# Altium PCB robot.PcbDoc (part 5 of 13)
Units mm, origin at the board's own origin, x right, y up, seen from the top; angles counter-clockwise.
Board outline 97 x 68 mm, 2 copper layers (Top Layer, Bottom Layer); 163 components, 156 nets, 23258 pads, 60 vias.
Unrouted connection lines stored in the file: 298.
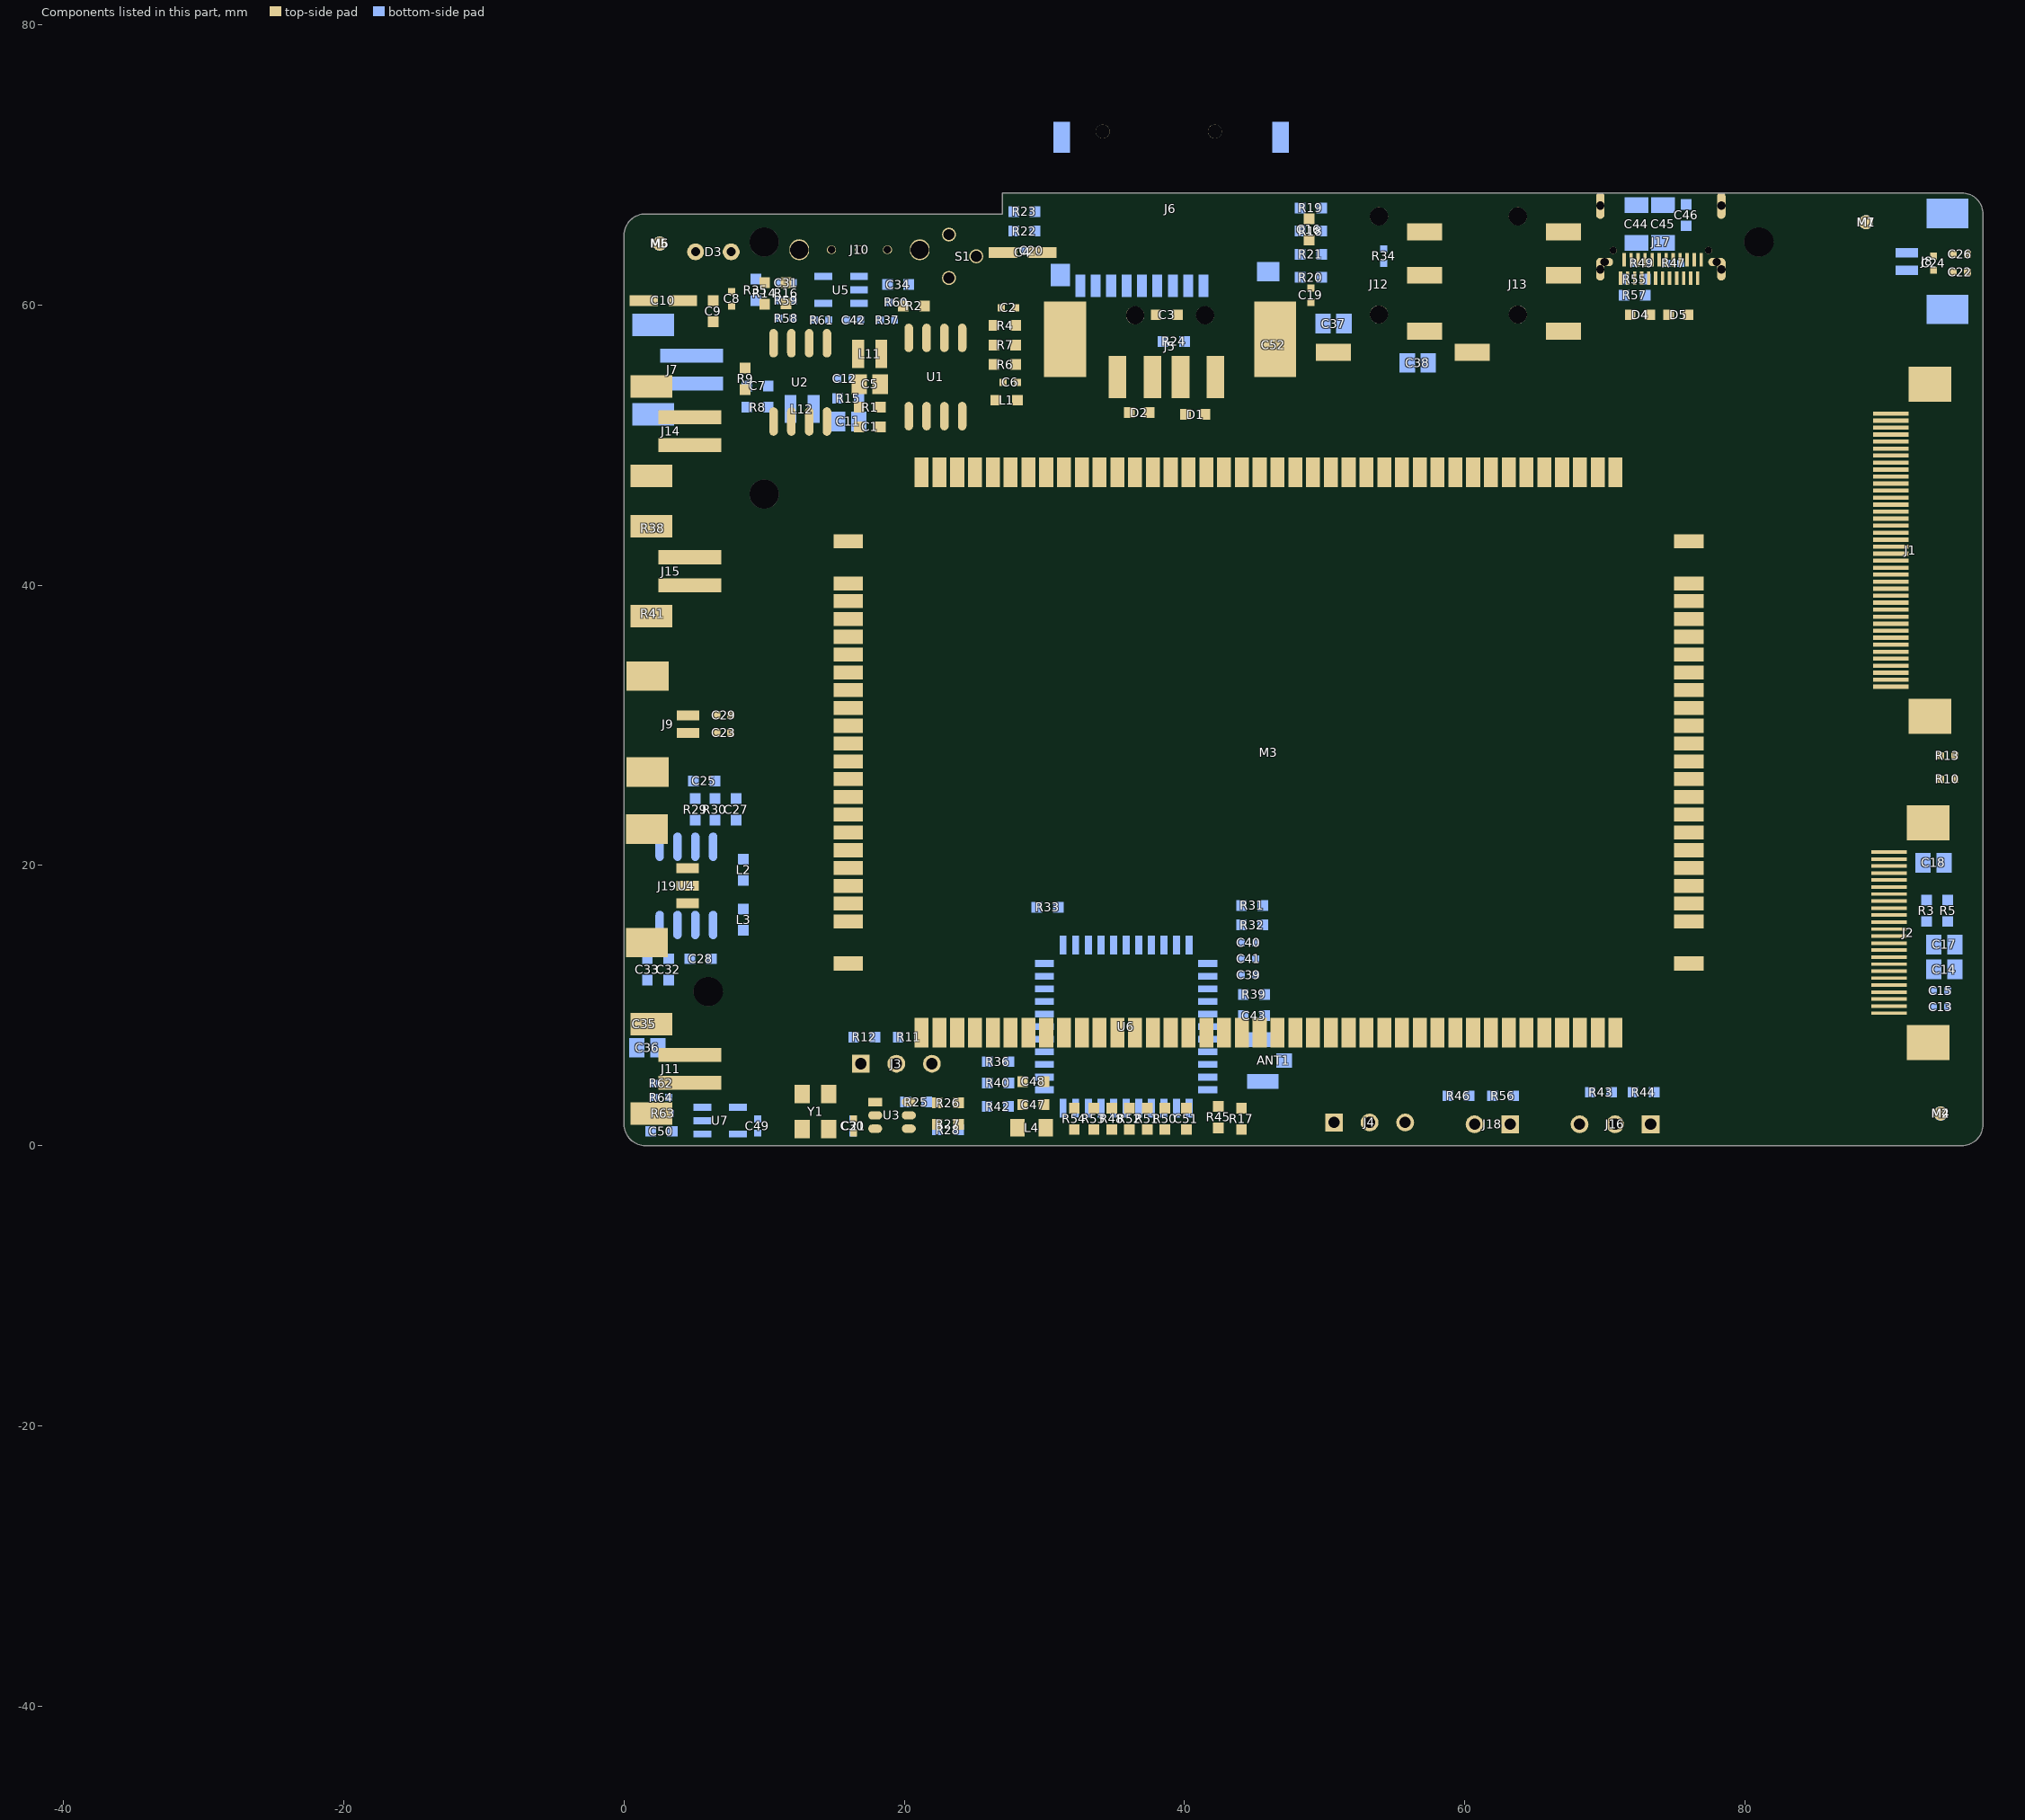
[diagram p5: the components of this part, seen from the top]

## Free pads (board coordinates) (continued)
  round 0 on Mech3: 1(-38.997,-44.121) 1(-38.997,-44.121) 1(-38.997,-44.121) 1(-38.997,-44.121) 1(-38.997,-44.121) 1(-38.997,-44.123) 1(-38.997,-44.123) 1(-38.997,-44.123) 1(-38.997,-44.111) 1(-38.997,-44.111) 1(-38.997,-44.111) 1(-38.997,-44.111) 1(-38.997,-44.111) 1(-38.997,-44.111) 1(-38.997,-44.105) 1(-38.997,-44.105) 1(-38.997,-44.105) 1(-38.997,-44.111) 1(-38.997,-44.111) 1(-38.997,-44.111) 1(-38.997,-44.111) 1(-38.997,-44.111) 1(-38.997,-44.111) 1(-38.997,-44.143) 1(-38.997,-44.143) 1(-38.997,-44.143) 1(-38.997,-44.12) 1(-38.997,-44.12) 1(-38.997,-44.12) 1(-38.997,-44.117) 1(-38.997,-44.117) 1(-38.997,-44.117) 1(-38.996,-44.127) 1(-38.996,-44.127) 1(-38.996,-44.127) 1(-38.996,-44.103) 1(-38.996,-44.103) 1(-38.996,-44.103) 1(-38.996,-44.13) 1(-38.996,-44.13) 1(-38.996,-44.13) 1(-38.996,-44.143) 1(-38.996,-44.143) 1(-38.996,-44.143) 1(-38.996,-44.113) 1(-38.996,-44.113) 1(-38.996,-44.113) 1(-38.996,-44.148) 1(-38.996,-44.148) 1(-38.996,-44.148) 1(-38.996,-44.148) 1(-38.996,-44.148) 1(-38.996,-44.148) 1(-38.996,-44.145) 1(-38.996,-44.145) 1(-38.996,-44.145) 1(-38.996,-44.111) 1(-38.996,-44.111) 1(-38.996,-44.111) 1(-38.996,-44.111) 1(-38.996,-44.111) 1(-38.996,-44.111) 1(-38.996,-44.105) 1(-38.996,-44.105) 1(-38.996,-44.105) 1(-38.996,-44.129) 1(-38.996,-44.129) 1(-38.996,-44.129) 1(-38.996,-44.129) 1(-38.996,-44.129) 1(-38.996,-44.129) 1(-38.995,-44.134) 1(-38.995,-44.134) 1(-38.995,-44.134) 1(-38.995,-44.117) 1(-38.995,-44.117) 1(-38.995,-44.117) 1(-38.995,-44.121) 1(-38.995,-44.121) 1(-38.995,-44.121) 1(-38.995,-44.121) 1(-38.995,-44.121) 1(-38.995,-44.121) 1(-38.995,-44.102) 1(-38.995,-44.102) 1(-38.995,-44.102) 1(-38.995,-44.102) 1(-38.995,-44.102) 1(-38.995,-44.102) 1(-38.995,-44.129) 1(-38.995,-44.129) 1(-38.995,-44.129) 1(-38.995,-44.103) 1(-38.995,-44.103) 1(-38.995,-44.103) 1(-38.995,-44.103) 1(-38.995,-44.103) 1(-38.995,-44.103) 1(-38.995,-44.12) 1(-38.995,-44.12) 1(-38.995,-44.12) 1(-38.994,-44.145) 1(-38.994,-44.145) 1(-38.994,-44.145) 1(-38.994,-44.134) 1(-38.994,-44.134) 1(-38.994,-44.134) 1(-38.994,-44.141) 1(-38.994,-44.141) 1(-38.994,-44.141) 1(-38.994,-44.139) 1(-38.994,-44.139) 1(-38.994,-44.139) 1(-38.994,-44.137) 1(-38.994,-44.137) 1(-38.994,-44.137) 1(-38.994,-44.133) 1(-38.994,-44.133) 1(-38.994,-44.133) 1(-38.994,-44.125) 1(-38.994,-44.125) 1(-38.994,-44.125) 1(-38.994,-44.136) 1(-38.994,-44.136) 1(-38.994,-44.136) 1(-38.994,-44.148) 1(-38.994,-44.148) 1(-38.994,-44.148) 1(-38.994,-44.148) 1(-38.994,-44.148) 1(-38.994,-44.148) 1(-38.994,-44.145) 1(-38.994,-44.145) 1(-38.994,-44.145) 1(-38.994,-44.145) 1(-38.994,-44.145) 1(-38.994,-44.145) 1(-38.994,-44.123) 1(-38.994,-44.123) 1(-38.994,-44.123) 1(-38.994,-44.102) 1(-38.994,-44.102) 1(-38.994,-44.102) 1(-38.994,-44.102) 1(-38.994,-44.102) 1(-38.994,-44.102) 1(-38.994,-44.102) 1(-38.994,-44.102) 1(-38.994,-44.102) 1(-38.994,-44.102) 1(-38.994,-44.102) 1(-38.994,-44.102) 1(-38.993,-44.148) 1(-38.993,-44.148) 1(-38.993,-44.148) 1(-38.993,-44.148) 1(-38.993,-44.148) 1(-38.993,-44.148) 1(-38.993,-44.145) 1(-38.993,-44.145) 1(-38.993,-44.145) 1(-38.993,-44.145) 1(-38.993,-44.145) 1(-38.993,-44.145) 1(-38.993,-44.116) 1(-38.993,-44.116) 1(-38.993,-44.116) 1(-38.993,-44.145) 1(-38.993,-44.145) 1(-38.993,-44.145) 1(-38.993,-44.129) 1(-38.993,-44.129) 1(-38.993,-44.129) 1(-38.993,-44.123) 1(-38.993,-44.123) 1(-38.993,-44.123) 1(-38.993,-44.111) 1(-38.993,-44.111) 1(-38.993,-44.111) 1(-38.993,-44.095) 1(-38.993,-44.095) 1(-38.993,-44.095) 1(-38.993,-44.132) 1(-38.993,-44.132) 1(-38.993,-44.132) 1(-38.993,-44.121) 1(-38.993,-44.121) 1(-38.993,-44.121) 1(-38.993,-44.125) 1(-38.993,-44.125) 1(-38.993,-44.125) 1(-38.992,-44.118) 1(-38.992,-44.118) 1(-38.992,-44.118) 1(-38.992,-44.141) 1(-38.992,-44.141) 1(-38.992,-44.141) 1(-38.992,-44.139) 1(-38.992,-44.139) 1(-38.992,-44.139) 1(-38.992,-44.137) 1(-38.992,-44.137) 1(-38.992,-44.137) 1(-38.992,-44.135) 1(-38.992,-44.135) 1(-38.992,-44.135) 1(-38.992,-44.133) 1(-38.992,-44.133) 1(-38.992,-44.133) 1(-38.992,-44.145) 1(-38.992,-44.145) 1(-38.992,-44.145) 1(-38.992,-44.149) 1(-38.992,-44.149) 1(-38.992,-44.149) 1(-38.992,-44.149) 1(-38.992,-44.149) 1(-38.992,-44.149) 1(-38.992,-44.145) 1(-38.992,-44.145) 1(-38.992,-44.145) 1(-38.992,-44.145) 1(-38.992,-44.145) 1(-38.992,-44.145) 1(-38.992,-44.119) 1(-38.992,-44.119) 1(-38.992,-44.119) 1(-38.991,-44.102) 1(-38.991,-44.102) 1(-38.991,-44.102) 1(-38.991,-44.128) 1(-38.991,-44.128) 1(-38.991,-44.128) 1(-38.991,-44.127) 1(-38.991,-44.127) 1(-38.991,-44.127) 1(-38.991,-44.097) 1(-38.991,-44.097) 1(-38.991,-44.097) 1(-38.991,-44.122) 1(-38.991,-44.122) 1(-38.991,-44.122) 1(-38.991,-44.129) 1(-38.991,-44.129) 1(-38.991,-44.129) 1(-38.991,-44.113) 1(-38.991,-44.113) 1(-38.991,-44.113) 1(-38.991,-44.101) 1(-38.991,-44.101) 1(-38.991,-44.101) 1(-38.991,-44.101) 1(-38.991,-44.101) 1(-38.991,-44.101) 1(-38.991,-44.145) 1(-38.991,-44.145) 1(-38.991,-44.145) 1(-38.991,-44.148) 1(-38.991,-44.148) 1(-38.991,-44.148) 1(-38.991,-44.148) 1(-38.991,-44.148) 1(-38.991,-44.148) 1(-38.991,-44.145) 1(-38.991,-44.145) 1(-38.991,-44.145) 1(-38.991,-44.145) 1(-38.991,-44.145) 1(-38.991,-44.145) 1(-38.99,-44.148) 1(-38.99,-44.148) 1(-38.99,-44.148) 1(-38.99,-44.101) 1(-38.99,-44.101) 1(-38.99,-44.101) 1(-38.99,-44.101) 1(-38.99,-44.101) 1(-38.99,-44.101) 1(-38.989,-44.133) 1(-38.989,-44.133) 1(-38.989,-44.133) 1(-38.989,-44.147) 1(-38.989,-44.147) 1(-38.989,-44.147) 1(-38.989,-44.147) 1(-38.989,-44.147) 1(-38.989,-44.147) 1(-38.989,-44.145) 1(-38.989,-44.145) 1(-38.989,-44.145) 1(-38.989,-44.145) 1(-38.989,-44.145) 1(-38.989,-44.145) 1(-38.989,-44.132) 1(-38.989,-44.132) 1(-38.989,-44.132) 1(-38.989,-44.137) 1(-38.989,-44.137) 1(-38.989,-44.137) 1(-38.989,-44.139) 1(-38.989,-44.139) 1(-38.989,-44.139) 1(-38.989,-44.135) 1(-38.989,-44.135) 1(-38.989,-44.135) 1(-38.989,-44.145) 1(-38.989,-44.145) 1(-38.989,-44.145) 1(-38.989,-44.141) 1(-38.989,-44.141) 1(-38.989,-44.141) 1(-38.989,-44.115) 1(-38.989,-44.115) 1(-38.989,-44.115) 1(-38.989,-44.103) 1(-38.989,-44.103) 1(-38.989,-44.103) 1(-38.989,-44.103) 1(-38.989,-44.103) 1(-38.989,-44.103) 1(-38.989,-44.122) 1(-38.989,-44.122) 1(-38.989,-44.122) 1(-38.989,-44.102) 1(-38.989,-44.102) 1(-38.989,-44.102) 1(-38.989,-44.102) 1(-38.989,-44.102) 1(-38.989,-44.102) 1(-38.989,-44.146) 1(-38.989,-44.146) 1(-38.989,-44.146) 1(-38.989,-44.146) 1(-38.989,-44.146) 1(-38.989,-44.146) 1(-38.989,-44.094) 1(-38.989,-44.094) 1(-38.989,-44.094) 1(-38.989,-44.1) 1(-38.989,-44.1) 1(-38.989,-44.1) 1(-38.989,-44.1) 1(-38.989,-44.1) 1(-38.989,-44.1) 1(-38.989,-44.1) 1(-38.989,-44.1) 1(-38.989,-44.1) 1(-38.989,-44.1) 1(-38.989,-44.1) 1(-38.989,-44.1) 1(-38.989,-44.102) 1(-38.989,-44.102) 1(-38.989,-44.102) 1(-38.989,-44.102) 1(-38.989,-44.102) 1(-38.989,-44.102) 1(-38.988,-44.146) 1(-38.988,-44.146) 1(-38.988,-44.146) 1(-38.988,-44.146) 1(-38.988,-44.146) 1(-38.988,-44.146) 1(-38.988,-44.147) 1(-38.988,-44.147) 1(-38.988,-44.147) 1(-38.988,-44.101) 1(-38.988,-44.101) 1(-38.988,-44.101) 1(-38.988,-44.101) 1(-38.988,-44.101) 1(-38.988,-44.101) 1(-38.988,-44.101) 1(-38.988,-44.101) 1(-38.988,-44.101) 1(-38.988,-44.101) 1(-38.988,-44.101) 1(-38.988,-44.101) 1(-38.988,-44.103) 1(-38.988,-44.103) 1(-38.988,-44.103) 1(-38.988,-44.103) 1(-38.988,-44.103) 1(-38.988,-44.103) 1(-38.988,-44.103) 1(-38.988,-44.103) 1(-38.988,-44.103) 1(-38.988,-44.103) 1(-38.988,-44.103) 1(-38.988,-44.103) 1(-38.988,-44.146) 1(-38.988,-44.146) 1(-38.988,-44.146) 1(-38.988,-44.146) 1(-38.988,-44.146) 1(-38.988,-44.146) 1(-38.988,-44.145) 1(-38.988,-44.145) 1(-38.988,-44.145) 1(-38.988,-44.148) 1(-38.988,-44.148) 1(-38.988,-44.148) 1(-38.988,-44.101) 1(-38.988,-44.101) 1(-38.988,-44.101) 1(-38.988,-44.101) 1(-38.988,-44.101) 1(-38.988,-44.101) 1(-38.988,-44.1) 1(-38.988,-44.1) 1(-38.988,-44.1) 1(-38.988,-44.095) 1(-38.988,-44.095) 1(-38.988,-44.095) 1(-38.988,-44.101) 1(-38.988,-44.101) 1(-38.988,-44.101) 1(-38.988,-44.101) 1(-38.988,-44.101) 1(-38.988,-44.101) 1(-38.988,-44.101) 1(-38.988,-44.101) 1(-38.988,-44.101) 1(-38.988,-44.103) 1(-38.988,-44.103) 1(-38.988,-44.103) 1(-38.988,-44.103) 1(-38.988,-44.103) 1(-38.988,-44.103) 1(-38.988,-44.101) 1(-38.988,-44.101) 1(-38.988,-44.101) 1(-38.988,-44.101) 1(-38.988,-44.101) 1(-38.988,-44.101) 1(-38.987,-44.124) 1(-38.987,-44.124) 1(-38.987,-44.124) 1(-38.987,-44.099) 1(-38.987,-44.099) 1(-38.987,-44.099) 1(-38.987,-44.099) 1(-38.987,-44.099) 1(-38.987,-44.099) 1(-38.987,-44.118) 1(-38.987,-44.118) 1(-38.987,-44.118) 1(-38.987,-44.122) 1(-38.987,-44.122) 1(-38.987,-44.122) 1(-38.987,-44.141) 1(-38.987,-44.141) 1(-38.987,-44.141) 1(-38.987,-44.14) 1(-38.987,-44.14) 1(-38.987,-44.14) 1(-38.987,-44.134) 1(-38.987,-44.134) 1(-38.987,-44.134) 1(-38.987,-44.132) 1(-38.987,-44.132) 1(-38.987,-44.132) 1(-38.987,-44.135) 1(-38.987,-44.135) 1(-38.987,-44.135) 1(-38.987,-44.098) 1(-38.987,-44.098) 1(-38.987,-44.098) 1(-38.987,-44.098) 1(-38.987,-44.098) 1(-38.987,-44.098) 1(-38.987,-44.137) 1(-38.987,-44.137) 1(-38.987,-44.137) 1(-38.987,-44.129) 1(-38.987,-44.129) 1(-38.987,-44.129) 1(-38.987,-44.139) 1(-38.987,-44.139) 1(-38.987,-44.139) 1(-38.987,-44.117) 1(-38.987,-44.117) 1(-38.987,-44.117) 1(-38.987,-44.126) 1(-38.987,-44.126) 1(-38.987,-44.126) 1(-38.987,-44.126) 1(-38.987,-44.126) 1(-38.987,-44.126) 1(-38.986,-44.098) 1(-38.986,-44.098) 1(-38.986,-44.098) 1(-38.986,-44.098) 1(-38.986,-44.098) 1(-38.986,-44.098) 1(-38.986,-44.125) 1(-38.986,-44.125) 1(-38.986,-44.125) 1(-38.986,-44.101) 1(-38.986,-44.101) 1(-38.986,-44.101) 1(-38.986,-44.101) 1(-38.986,-44.101) 1(-38.986,-44.101) 1(-38.986,-44.134) 1(-38.986,-44.134) 1(-38.986,-44.134) 1(-38.986,-44.097) 1(-38.986,-44.097) 1(-38.986,-44.097) 1(-38.986,-44.128) 1(-38.986,-44.128) 1(-38.986,-44.128) 1(-38.986,-44.121) 1(-38.986,-44.121) 1(-38.986,-44.121) 1(-38.986,-44.099) 1(-38.986,-44.099) 1(-38.986,-44.099) 1(-38.986,-44.099) 1(-38.986,-44.099) 1(-38.986,-44.099) 1(-38.986,-44.106) 1(-38.986,-44.106) 1(-38.986,-44.106) 1(-38.985,-44.142) 1(-38.985,-44.142) 1(-38.985,-44.142) 1(-38.985,-44.131) 1(-38.985,-44.131) 1(-38.985,-44.131) 1(-38.985,-44.131) 1(-38.985,-44.131) 1(-38.985,-44.131) 1(-38.985,-44.127) 1(-38.985,-44.127) 1(-38.985,-44.127) 1(-38.985,-44.127) 1(-38.985,-44.127) 1(-38.985,-44.127) 1(-38.985,-44.131) 1(-38.985,-44.131) 1(-38.985,-44.131) 1(-38.985,-44.131) 1(-38.985,-44.131) 1(-38.985,-44.131) 1(-38.985,-44.148) 1(-38.985,-44.148) 1(-38.985,-44.148) 1(-38.985,-44.127) 1(-38.985,-44.127) 1(-38.985,-44.127) 1(-38.984,-44.147) 1(-38.984,-44.147) 1(-38.984,-44.147) 1(-38.984,-44.142) 1(-38.984,-44.142) 1(-38.984,-44.142) 1(-38.984,-44.144) 1(-38.984,-44.144) 1(-38.984,-44.144) 1(-38.984,-44.149) 1(-38.984,-44.149) 1(-38.984,-44.149) 1(-38.984,-44.149) 1(-38.984,-44.149) 1(-38.984,-44.149) 1(-38.984,-44.15) 1(-38.984,-44.15) 1(-38.984,-44.15) 1(-38.984,-44.15) 1(-38.984,-44.15) 1(-38.984,-44.15) 1(-38.984,-44.126) 1(-38.984,-44.126) 1(-38.984,-44.126) 1(-38.984,-44.126) 1(-38.984,-44.126) 1(-38.984,-44.126) 1(-38.984,-44.15) 1(-38.984,-44.15) 1(-38.984,-44.15) 1(-38.984,-44.15) 1(-38.984,-44.15) 1(-38.984,-44.15) 1(-38.984,-44.131) 1(-38.984,-44.131) 1(-38.984,-44.131) 1(-38.984,-44.149) 1(-38.984,-44.149) 1(-38.984,-44.149) 1(-38.984,-44.149) 1(-38.984,-44.149) 1(-38.984,-44.149) 1(-38.984,-44.138) 1(-38.984,-44.138) 1(-38.984,-44.138) 1(-38.984,-44.138) 1(-38.984,-44.138) 1(-38.984,-44.138) 1(-38.984,-44.15) 1(-38.984,-44.15) 1(-38.984,-44.15) 1(-38.984,-44.15) 1(-38.984,-44.15) 1(-38.984,-44.15) 1(-38.983,-44.105) 1(-38.983,-44.105) 1(-38.983,-44.105) 1(-38.983,-44.099) 1(-38.983,-44.099) 1(-38.983,-44.099) 1(-38.983,-44.099) 1(-38.983,-44.099) 1(-38.983,-44.099) 1(-38.983,-44.128) 1(-38.983,-44.128) 1(-38.983,-44.128) 1(-38.983,-44.128) 1(-38.983,-44.128) 1(-38.983,-44.128) 1(-38.983,-44.125) 1(-38.983,-44.125) 1(-38.983,-44.125) 1(-38.983,-44.125) 1(-38.983,-44.125) 1(-38.983,-44.125) 1(-38.983,-44.149) 1(-38.983,-44.149) 1(-38.983,-44.149) 1(-38.983,-44.149) 1(-38.983,-44.149) 1(-38.983,-44.149) 1(-38.983,-44.142) 1(-38.983,-44.142) 1(-38.983,-44.142) 1(-38.983,-44.142) 1(-38.983,-44.142) 1(-38.983,-44.142) 1(-38.983,-44.128) 1(-38.983,-44.128) 1(-38.983,-44.128) 1(-38.983,-44.128) 1(-38.983,-44.128) 1(-38.983,-44.128) 1(-38.983,-44.134) 1(-38.983,-44.134) 1(-38.983,-44.134) 1(-38.983,-44.124) 1(-38.983,-44.124) 1(-38.983,-44.124) 1(-38.983,-44.124) 1(-38.983,-44.124) 1(-38.983,-44.124) 1(-38.983,-44.129) 1(-38.983,-44.129) 1(-38.983,-44.129) 1(-38.983,-44.129) 1(-38.983,-44.129) 1(-38.983,-44.129) 1(-38.983,-44.149) 1(-38.983,-44.149) 1(-38.983,-44.149) 1(-38.983,-44.149) 1(-38.983,-44.149) 1(-38.983,-44.149) 1(-38.983,-44.141) 1(-38.983,-44.141) 1(-38.983,-44.141) 1(-38.983,-44.141) 1(-38.983,-44.141) 1(-38.983,-44.141) 1(-38.982,-44.118) 1(-38.982,-44.118) 1(-38.982,-44.118) 1(-38.982,-44.118) 1(-38.982,-44.118) 1(-38.982,-44.118) 1(-38.982,-44.123) 1(-38.982,-44.123) 1(-38.982,-44.123) 1(-38.982,-44.123) 1(-38.982,-44.123) 1(-38.982,-44.123) 1(-38.982,-44.121) 1(-38.982,-44.121) 1(-38.982,-44.121) 1(-38.982,-44.121) 1(-38.982,-44.121) 1(-38.982,-44.121) 1(-38.982,-44.149) 1(-38.982,-44.149) 1(-38.982,-44.149) 1(-38.982,-44.149) 1(-38.982,-44.149) 1(-38.982,-44.149) 1(-38.982,-44.138) 1(-38.982,-44.138) 1(-38.982,-44.138) 1(-38.982,-44.138) 1(-38.982,-44.138) 1(-38.982,-44.138) 1(-38.982,-44.097) 1(-38.982,-44.097) 1(-38.982,-44.097) 1(-38.982,-44.15) 1(-38.982,-44.15) 1(-38.982,-44.15) 1(-38.982,-44.13) 1(-38.982,-44.13) 1(-38.982,-44.13) 1(-38.982,-44.112) 1(-38.982,-44.112) 1(-38.982,-44.112) 1(-38.982,-44.112) 1(-38.982,-44.112) 1(-38.982,-44.112) 1(-38.982,-44.111) 1(-38.982,-44.111) 1(-38.982,-44.111) 1(-38.982,-44.111) 1(-38.982,-44.111) 1(-38.982,-44.111) 1(-38.982,-44.119) 1(-38.982,-44.119) 1(-38.982,-44.119) 1(-38.982,-44.119) 1(-38.982,-44.119) 1(-38.982,-44.119) 1(-38.982,-44.114) 1(-38.982,-44.114) 1(-38.982,-44.114) 1(-38.982,-44.114) 1(-38.982,-44.114) 1(-38.982,-44.114) 1(-38.981,-44.113) 1(-38.981,-44.113) 1(-38.981,-44.113) 1(-38.981,-44.113) 1(-38.981,-44.113) 1(-38.981,-44.113) 1(-38.981,-44.102) 1(-38.981,-44.102) 1(-38.981,-44.102) 1(-38.981,-44.147) 1(-38.981,-44.147) 1(-38.981,-44.147) 1(-38.981,-44.144) 1(-38.981,-44.144) 1(-38.981,-44.144) 1(-38.981,-44.098) 1(-38.981,-44.098) 1(-38.981,-44.098) 1(-38.981,-44.098) 1(-38.981,-44.098) 1(-38.981,-44.098) 1(-38.981,-44.128) 1(-38.981,-44.128) 1(-38.981,-44.128) 1(-38.981,-44.128) 1(-38.981,-44.128) 1(-38.981,-44.128) 1(-38.98,-44.125) 1(-38.98,-44.125) 1(-38.98,-44.125) 1(-38.98,-44.125) 1(-38.98,-44.125) 1(-38.98,-44.125) 1(-38.98,-44.101) 1(-38.98,-44.101) 1(-38.98,-44.101) 1(-38.98,-44.101) 1(-38.98,-44.101) 1(-38.98,-44.101) 1(-38.98,-44.121) 1(-38.98,-44.121) 1(-38.98,-44.121) 1(-38.98,-44.121) 1(-38.98,-44.121) 1(-38.98,-44.121) 1(-38.98,-44.123) 1(-38.98,-44.123) 1(-38.98,-44.123) 1(-38.98,-44.123) 1(-38.98,-44.123) 1(-38.98,-44.123) 1(-38.98,-44.121) 1(-38.98,-44.121) 1(-38.98,-44.121) 1(-38.98,-44.121) 1(-38.98,-44.121) 1(-38.98,-44.121) 1(-38.98,-44.119) 1(-38.98,-44.119) 1(-38.98,-44.119) 1(-38.98,-44.118) 1(-38.98,-44.118) 1(-38.98,-44.118) 1(-38.98,-44.118) 1(-38.98,-44.118) 1(-38.98,-44.118) 1(-38.98,-44.113) 1(-38.98,-44.113) 1(-38.98,-44.113) 1(-38.98,-44.134) 1(-38.98,-44.134) 1(-38.98,-44.134) 1(-38.98,-44.133) 1(-38.98,-44.133) 1(-38.98,-44.133) 1(-38.98,-44.132) 1(-38.98,-44.132) 1(-38.98,-44.132) 1(-38.98,-44.13) 1(-38.98,-44.13) 1(-38.98,-44.13) 1(-38.98,-44.129) 1(-38.98,-44.129) 1(-38.98,-44.129) 1(-38.98,-44.128) 1(-38.98,-44.128) 1(-38.98,-44.128) 1(-38.98,-44.126) 1(-38.98,-44.126) 1(-38.98,-44.126) 1(-38.98,-44.125) 1(-38.98,-44.125) 1(-38.98,-44.125) 1(-38.98,-44.124) 1(-38.98,-44.124) 1(-38.98,-44.124) 1(-38.98,-44.123) 1(-38.98,-44.123) 1(-38.98,-44.123) 1(-38.98,-44.121) 1(-38.98,-44.121) 1(-38.98,-44.121) 1(-38.98,-44.12) 1(-38.98,-44.12) 1(-38.98,-44.12) 1(-38.98,-44.119) 1(-38.98,-44.119) 1(-38.98,-44.119) 1(-38.98,-44.119) 1(-38.98,-44.119) 1(-38.98,-44.119) 1(-38.98,-44.118) 1(-38.98,-44.118) 1(-38.98,-44.118) 1(-38.98,-44.114) 1(-38.98,-44.114) 1(-38.98,-44.114) 1(-38.98,-44.113) 1(-38.98,-44.113) 1(-38.98,-44.113) 1(-38.98,-44.113) 1(-38.98,-44.113) 1(-38.98,-44.113) 1(-38.98,-44.109) 1(-38.98,-44.109) 1(-38.98,-44.109) 1(-38.98,-44.095) 1(-38.98,-44.095) 1(-38.98,-44.095) 1(-38.98,-44.107) 1(-38.98,-44.107) 1(-38.98,-44.107) 1(-38.98,-44.1) 1(-38.98,-44.1) 1(-38.98,-44.1) 1(-38.98,-44.134) 1(-38.98,-44.134) 1(-38.98,-44.134) 1(-38.98,-44.134) 1(-38.98,-44.134) 1(-38.98,-44.134) 1(-38.98,-44.11) 1(-38.98,-44.11) 1(-38.98,-44.11) 1(-38.98,-44.139) 1(-38.98,-44.139) 1(-38.98,-44.139) 1(-38.98,-44.141) 1(-38.98,-44.141) 1(-38.98,-44.141) 1(-38.98,-44.093) 1(-38.98,-44.093) 1(-38.98,-44.093) 1(-38.98,-44.148) 1(-38.98,-44.148) 1(-38.98,-44.148) 1(-38.979,-44.094) 1(-38.979,-44.094) 1(-38.979,-44.094) 1(-38.979,-44.1) 1(-38.979,-44.1) 1(-38.979,-44.1) 1(-38.979,-44.1) 1(-38.979,-44.1) 1(-38.979,-44.1) 1(-38.979,-44.126) 1(-38.979,-44.126) 1(-38.979,-44.126) 1(-38.979,-44.134) 1(-38.979,-44.134) 1(-38.979,-44.134) 1(-38.979,-44.134) 1(-38.979,-44.134) 1(-38.979,-44.134) 1(-38.979,-44.124) 1(-38.979,-44.124) 1(-38.979,-44.124) 1(-38.979,-44.15) 1(-38.979,-44.15) 1(-38.979,-44.15) 1(-38.979,-44.12) 1(-38.979,-44.12) 1(-38.979,-44.12) 1(-38.979,-44.12) 1(-38.979,-44.12) 1(-38.979,-44.12) 1(-38.979,-44.14) 1(-38.979,-44.14) 1(-38.979,-44.14) 1(-38.978,-44.121) 1(-38.978,-44.121) 1(-38.978,-44.121) 1(-38.978,-44.114) 1(-38.978,-44.114) 1(-38.978,-44.114) 1(-38.978,-44.105) 1(-38.978,-44.105) 1(-38.978,-44.105) 1(-38.978,-44.105) 1(-38.978,-44.105) 1(-38.978,-44.105) 1(-38.978,-44.103) 1(-38.978,-44.103) 1(-38.978,-44.103) 1(-38.978,-44.103) 1(-38.978,-44.103) 1(-38.978,-44.103) 1(-38.978,-44.112) 1(-38.978,-44.112) 1(-38.978,-44.112) 1(-38.978,-44.098) 1(-38.978,-44.098) 1(-38.978,-44.098) 1(-38.978,-44.136) 1(-38.978,-44.136) 1(-38.978,-44.136) 1(-38.978,-44.106) 1(-38.978,-44.106) 1(-38.978,-44.106) 1(-38.978,-44.133) 1(-38.978,-44.133) 1(-38.978,-44.133) 1(-38.978,-44.133) 1(-38.978,-44.133) 1(-38.978,-44.133) 1(-38.978,-44.119) 1(-38.978,-44.119) 1(-38.978,-44.119) 1(-38.978,-44.117) 1(-38.978,-44.117) 1(-38.978,-44.117) 1(-38.978,-44.1) 1(-38.978,-44.1) 1(-38.978,-44.1) 1(-38.978,-44.115) 1(-38.978,-44.115) 1(-38.978,-44.115) 1(-38.978,-44.132) 1(-38.978,-44.132) 1(-38.978,-44.132) 1(-38.978,-44.132) 1(-38.978,-44.132) 1(-38.978,-44.132) 1(-38.977,-44.145) 1(-38.977,-44.145) 1(-38.977,-44.145) 1(-38.977,-44.101) 1(-38.977,-44.101) 1(-38.977,-44.101) 1(-38.977,-44.13) 1(-38.977,-44.13) 1(-38.977,-44.13) 1(-38.977,-44.13) 1(-38.977,-44.13) 1(-38.977,-44.13) 1(-38.976,-44.099) 1(-38.976,-44.099) 1(-38.976,-44.099) 1(-38.976,-44.114) 1(-38.976,-44.114) 1(-38.976,-44.114) 1(-38.976,-44.139) 1(-38.976,-44.139) 1(-38.976,-44.139) 1(-38.976,-44.126) 1(-38.976,-44.126) 1(-38.976,-44.126) 1(-38.976,-44.101) 1(-38.976,-44.101) 1(-38.976,-44.101) 1(-38.975,-44.103) 1(-38.975,-44.103) 1(-38.975,-44.103) 1(-38.975,-44.107) 1(-38.975,-44.107) 1(-38.975,-44.107) 1(-38.975,-44.105) 1(-38.975,-44.105) 1(-38.975,-44.105) 1(-38.975,-44.11) 1(-38.975,-44.11) 1(-38.975,-44.11) 1(-38.974,-44.15) 1(-38.974,-44.15) 1(-38.974,-44.15) 1(-38.974,-44.146) 1(-38.974,-44.146) 1(-38.974,-44.146) 1(-38.974,-44.113) 1(-38.974,-44.113) 1(-38.974,-44.113) 1(-38.974,-44.094) 1(-38.974,-44.094) 1(-38.974,-44.094) 1(-38.974,-44.118) 1(-38.974,-44.118) 1(-38.974,-44.118) 1(-38.974,-44.126) 1(-38.974,-44.126) 1(-38.974,-44.126) 1(-38.974,-44.122) 1(-38.974,-44.122) 1(-38.974,-44.122) 1(-38.974,-44.098) 1(-38.974,-44.098) 1(-38.974,-44.098) 1(-38.974,-44.134) 1(-38.974,-44.134) 1(-38.974,-44.134) 1(-38.974,-44.14) 1(-38.974,-44.14) 1(-38.974,-44.14) 1(-38.974,-44.129) 1(-38.974,-44.129) 1(-38.974,-44.129)